# Allegro board 1140022-KU060_PCIE_FIBER_BOARD_V001_pcb166_20240120_1835_pcb.brd (continued)
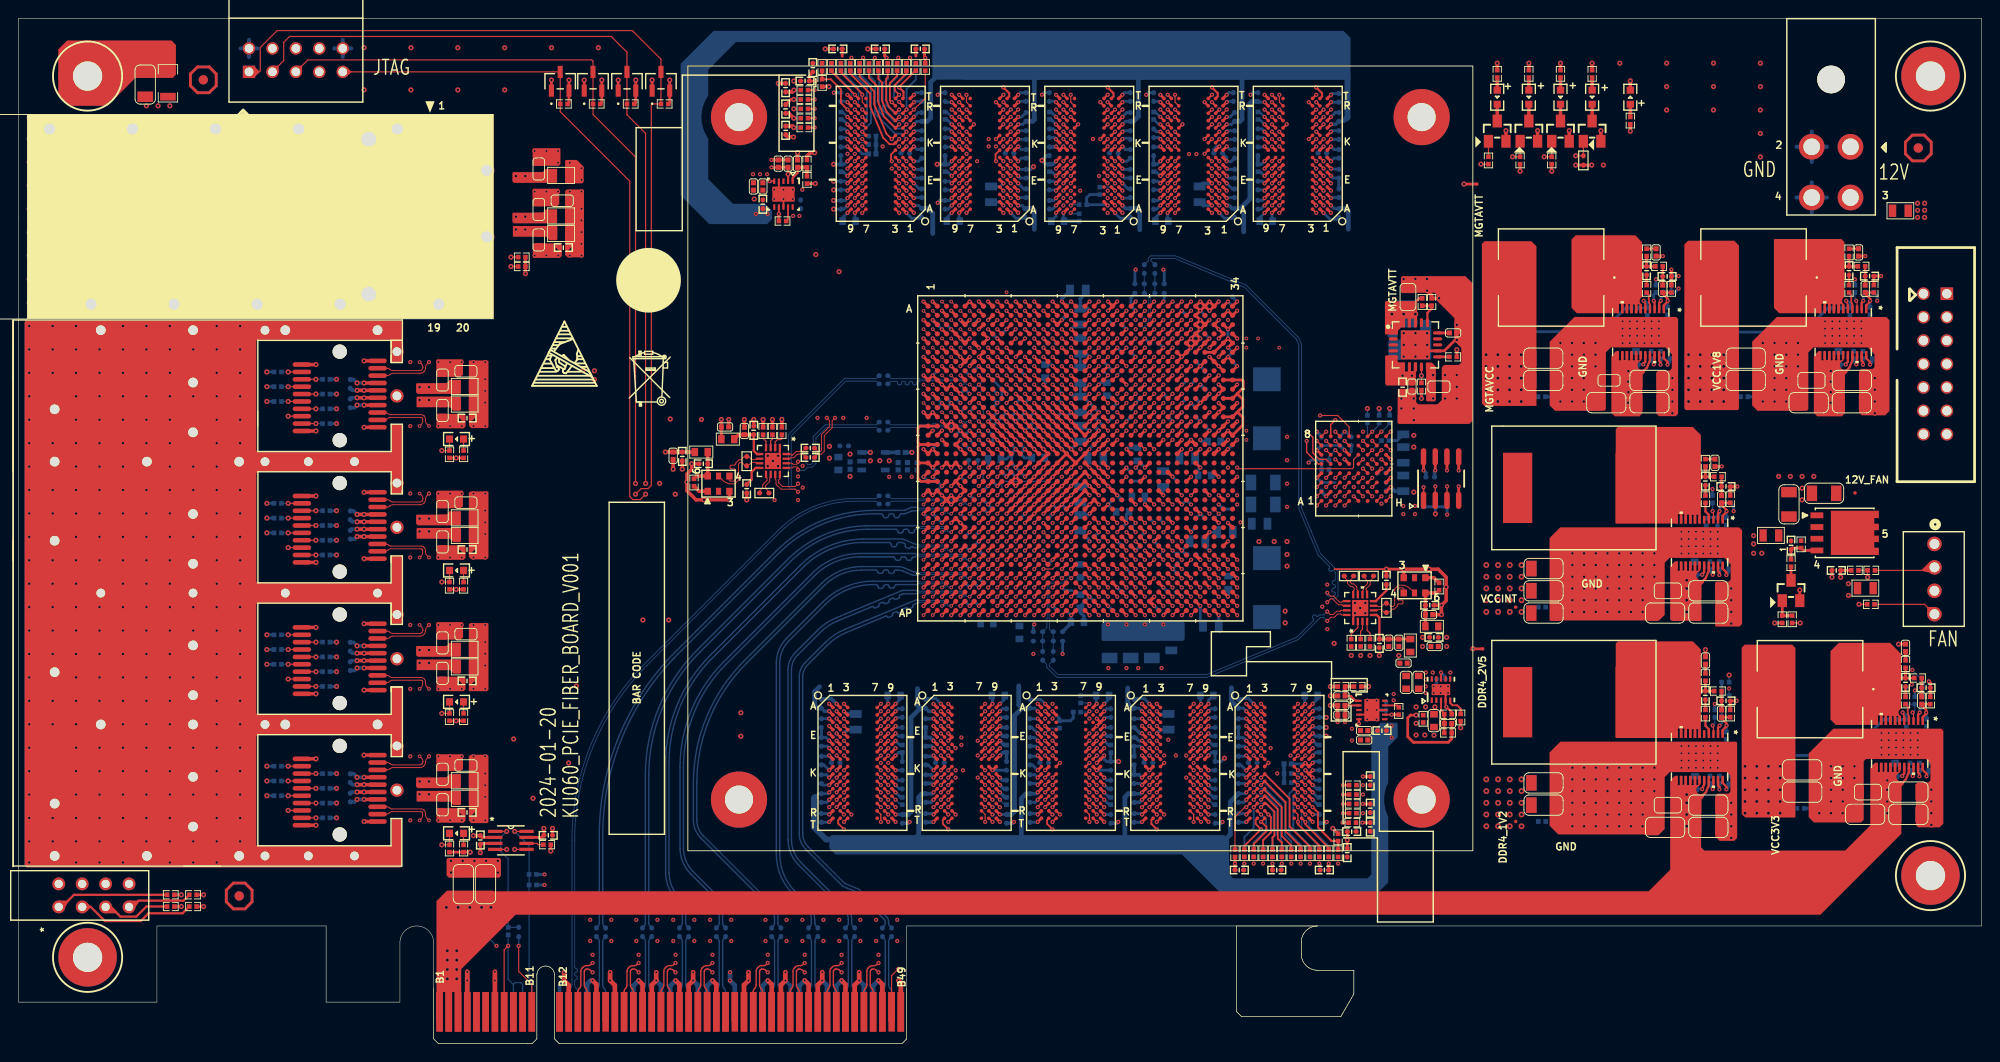
[diagram p0: board, top side]
## Routing (per net, layer and track width the routed paths; a pad name or vN(x,y) marks a point on that pad's centre or on a via; arc(x,y) is an arc through that point) (continued)
CHA_FPGA_DDR4_C2_D20: length 48
  TOP w0.201: U10.H2 v1(141.48,95.67) ; U1.H18 v1(116.11,73.45)
  ART05 w0.137: v1(116.11,73.45) 116.29,73.45 116.71,73.03 118.49,73.03 118.69,73.23 118.69,73.63 118.97,73.91 119.38,73.91 120.65,75.18 120.65,77.72 120.9,77.98 121.54,77.98 121.67,78.11 121.67,80.82 121.8,80.96 122.19,80.96 122.33,81.1 122.33,81.37 122.19,81.51 121.8,81.51 121.67,81.65 121.67,81.89 122.25,82.47 122.98,82.47 123.12,82.34 123.12,81.8 123.26,81.66 123.53,81.66 123.67,81.8 123.67,82.34 123.81,82.47 124.23,82.47 124.33,82.37 124.33,81.79 124.71,81.41 127.22,81.41 139.25,86.39 142.7,89.84 142.7,94.26 142.48,94.47 142.08,94.47 141.88,94.67 141.88,95.05 141.48,95.45 v1(141.48,95.67)
CHA_FPGA_DDR4_C2_D21: length 48
  TOP w0.201: U1.G15 v1(112.11,74.45) ; U10.H8 v1(135.88,95.67)
  ART05 w0.137: v1(135.88,95.67) 135.48,95.27 134.77,95.27 134.62,95.12 134.62,89.23 133.88,88.49 131.74,87.6 131.4,87.6 131.26,87.74 131.26,88.23 131.12,88.37 130.85,88.37 130.71,88.23 130.71,87.74 130.58,87.6 130.3,87.6 130.01,87.9 130.01,88.23 129.87,88.37 129.6,88.37 129.46,88.23 129.46,88.02 129.32,87.88 129.05,87.88 128.91,88.02 128.91,88.23 128.77,88.37 128.5,88.37 128.36,88.23 128.36,88.02 128.23,87.88 127.95,87.88 127.81,88.02 127.81,88.23 127.68,88.37 127.4,88.37 127.27,88.23 127.27,88.02 127.13,87.88 126.85,87.88 126.72,88.02 126.72,88.23 126.58,88.37 126.31,88.37 126.17,88.23 126.17,88.02 126.03,87.88 125.76,87.88 125.62,88.02 125.62,88.23 125.48,88.37 125.21,88.37 125.07,88.23 125.07,88.02 124.93,87.88 124.66,87.88 124.52,88.02 124.52,88.23 124.39,88.37 124.11,88.37 123.97,88.23 123.97,88.02 123.84,87.88 123.56,87.88 123.43,88.02 123.43,88.23 123.29,88.37 123.01,88.37 122.88,88.23 122.88,88.02 122.74,87.88 122.47,87.88 122.33,88.02 122.33,88.23 122.19,88.37 121.92,88.37 121.78,88.23 121.78,88.02 121.64,87.88 121.37,87.88 121.23,88.02 121.23,88.23 121.09,88.37 120.82,88.37 120.68,88.23 120.68,88.02 120.55,87.88 120.4,87.88 115.14,82.63 115.14,79.32 114.6,78.79 114.6,78.28 114.3,77.98 113.92,77.98 113.67,77.72 113.67,75.31 113.03,74.68 112.33,74.68 v1(112.11,74.45)
CHA_FPGA_DDR4_C2_D22: length 44.6
  TOP w0.201: U1.F18 v1(116.11,75.45) ; U10.J3 v1(140.68,97.27)
  ART05 w0.137: v1(116.11,75.45) 115.67,74.8 115.67,74.42 115.78,74.16 115.86,74.08 116.01,74.02 117.17,74.02 117.34,74.08 117.53,74.27 117.6,74.45 117.6,75.59 117.98,75.97 118.29,75.97 118.58,76.26 118.76,76.69 119.25,77.19 119.25,77.69 119.63,78.61 119.63,79.5 119.82,80.43 119.95,80.85 120.21,81.73 121.84,83.36 129.46,83.36 138.18,86.98 141.08,89.87 141.08,95.09 140.9,95.27 140.44,95.27 140.26,95.45 140.26,95.88 140.26,95.89 v1(140.68,97.27)
CHA_FPGA_DDR4_C2_D23: length 48.3
  TOP w0.201: U10.J7 v1(136.68,97.27) ; U1.G14 v1(111.11,74.45)
  ART05 w0.137: v1(136.68,97.27) 135.78,96.37 134.98,96.37 134.24,95.63 134.24,89.74 133.27,88.77 129.34,88.77 129.2,88.91 129.2,89.09 129.07,89.23 128.79,89.23 128.65,89.09 128.65,88.91 128.52,88.77 128.24,88.77 128.11,88.91 128.11,89.09 127.97,89.23 127.69,89.23 127.56,89.09 127.56,88.91 127.42,88.77 127.15,88.77 127.01,88.91 127.01,89.09 126.87,89.23 126.6,89.23 126.46,89.09 126.46,88.91 126.32,88.77 126.05,88.77 125.91,88.91 125.91,89.09 125.77,89.23 125.5,89.23 125.36,89.09 125.36,88.91 125.23,88.77 124.95,88.77 124.81,88.91 124.81,89.09 124.68,89.23 124.4,89.23 124.26,89.09 124.26,88.91 124.13,88.77 123.85,88.77 123.72,88.91 123.72,89.09 123.58,89.23 123.3,89.23 123.17,89.09 123.17,88.91 123.03,88.77 122.76,88.77 122.62,88.91 122.62,89.09 122.48,89.23 122.21,89.23 122.07,89.09 122.07,88.91 121.93,88.77 121.66,88.77 121.52,88.91 121.52,89.09 121.38,89.23 121.11,89.23 120.97,89.09 120.97,88.91 120.84,88.77 120.65,88.77 114.68,82.8 114.68,79.38 114.3,78.99 113.79,78.99 113.67,78.87 113.67,78.23 113.41,77.98 113.03,77.98 112.65,77.6 112.65,75.18 112.39,74.93 111.63,74.93 111.15,74.45 v1(111.11,74.45)
CHA_FPGA_DDR4_C2_D24: length 45.4
  TOP w0.201: U10.A3 v1(140.68,90.07) ; U1.L18 v1(116.11,70.45)
  ART10 w0.137: v1(140.68,90.07) 140.68,88.63 138.1,86.06 124.61,86.06 124.21,85.65 124.02,85.65 123.78,85.89 123.59,85.89 123.39,85.7 123.39,85.5 123.63,85.27 123.63,85.07 123.44,84.88 123.24,84.88 123,85.12 122.81,85.12 122.62,84.92 122.62,84.73 122.85,84.49 122.85,84.3 121.41,82.85 121.22,82.85 120.7,83.37 120.5,83.37 120.31,83.18 120.31,82.98 120.68,82.62 120.68,82.32 120.51,82.15 120.2,82.15 120.07,82.02 120.07,81.74 120.2,81.6 120.46,81.6 120.6,81.47 120.6,81.19 120.46,81.06 120.2,81.06 120.07,80.92 120.07,80.64 120.2,80.51 120.46,80.51 120.6,80.37 120.6,73.25 120.07,72.72 120.07,72.39 119.15,71.48 118.97,71.48 117.53,70.03 116.74,70.03 116.31,70.45 v1(116.11,70.45)
CHA_FPGA_DDR4_C2_D25: length 44.2
  TOP w0.201: U1.K17 v1(114.11,71.45) ; U10.B8 v1(135.88,90.87)
  ART10 w0.137: v1(114.11,71.45) 114.53,71.45 115.57,72.49 115.57,82.68 121.92,89.03 123.57,89.03 123.71,89.16 123.71,89.4 123.84,89.53 124.12,89.53 124.26,89.4 124.26,89.16 124.39,89.03 124.67,89.03 124.8,89.16 124.8,89.4 124.94,89.53 125.22,89.53 125.35,89.4 125.35,89.16 125.49,89.03 125.76,89.03 125.9,89.16 125.9,89.4 126.04,89.53 126.31,89.53 126.45,89.4 126.45,89.16 126.59,89.03 126.86,89.03 127,89.16 127,89.4 127.14,89.53 127.41,89.53 127.55,89.4 127.55,89.16 127.69,89.03 127.96,89.03 128.1,89.16 128.1,89.4 128.23,89.53 128.51,89.53 128.65,89.4 128.65,89.16 128.78,89.03 129.06,89.03 129.19,89.16 129.19,89.4 129.33,89.53 129.61,89.53 129.74,89.4 129.74,89.16 129.88,89.03 130.15,89.03 130.29,89.16 130.29,89.4 130.43,89.53 130.7,89.53 130.84,89.4 130.84,89.16 130.98,89.03 131.6,89.03 132.11,89.53 132.11,90.3 132.28,90.47 132.67,90.47 132.81,90.34 132.81,90.08 132.95,89.94 133.22,89.94 133.36,90.08 133.36,90.34 133.5,90.47 133.77,90.47 133.91,90.34 133.91,90 134.05,89.87 134.32,89.87 134.46,90 134.46,90.34 134.6,90.47 135.74,90.47 135.88,90.61 v1(135.88,90.87)
CHA_FPGA_DDR4_C2_D26: length 44.6
  TOP w0.201: U10.C3 v1(140.68,91.67) ; U1.L19 v1(117.11,70.45)
  ART10 w0.137: v1(117.11,70.45) 117.34,70.45 118.85,71.96 119.2,71.96 119.58,72.34 119.58,77.1 119.45,77.24 119.24,77.24 119.1,77.37 119.1,77.65 119.24,77.79 119.45,77.79 119.58,77.92 119.58,80.97 119.45,81.11 119.26,81.11 119.13,81.24 119.13,81.49 119.29,81.65 119.45,81.65 119.58,81.79 119.58,82.07 119.45,82.2 119.26,82.2 119.13,82.34 119.13,82.65 121.06,84.59 121.26,84.59 121.52,84.32 121.71,84.32 121.91,84.52 121.91,84.71 121.64,84.97 121.64,85.17 122.96,86.49 137.92,86.49 139.98,88.54 139.98,91.72 140.12,91.86 140.5,91.86 v1(140.68,91.67)
CHA_FPGA_DDR4_C2_D27: length 45.2
  TOP w0.201: U10.C7 v1(136.68,91.67) ; U1.K16 v1(113.11,71.45)
  ART10 w0.137: v1(136.68,91.67) 137.36,91.67 138.49,91.21 139.19,90.5 139.19,89.2 137.34,87.35 122.58,87.35 117.58,82.35 117.58,72.29 117.27,71.98 115.85,71.98 114.83,70.97 113.84,70.97 113.36,71.45 v1(113.11,71.45)
CHA_FPGA_DDR4_C2_D28: length 46.6
  TOP w0.201: U10.C2 v1(141.48,91.67) ; U1.L15 v1(112.11,70.45)
  ART10 w0.137: v1(141.48,91.67) 141.29,91.38 141.08,91 141.08,88.42 138.25,85.6 125.93,85.6 124.69,85.09 123.99,84.79 121.62,82.42 121.62,73.56 121.47,73.21 121.25,72.99 120.91,72.85 117.7,69.65 116.73,69.65 116.12,69.9 113.54,69.9 112.96,70.03 112.42,70.28 v1(112.11,70.45)
CHA_FPGA_DDR4_C2_D29: length 45
  TOP w0.201: U10.C8 v1(135.88,91.67) ; U1.K15 v1(112.11,71.45)
  ART10 w0.137: v1(112.11,71.45) 112.11,71.52 112.52,71.93 114.3,71.93 115.07,72.7 115.07,82.83 121.67,89.43 122.09,89.43 122.23,89.57 122.23,90.06 122.37,90.2 122.64,90.2 122.78,90.06 122.78,89.57 122.92,89.43 123.22,89.43 123.37,89.59 123.37,90.27 123.57,90.47 125.85,90.47 125.99,90.33 125.99,90.08 126.13,89.94 126.4,89.94 126.54,90.08 126.54,90.33 126.68,90.47 126.95,90.47 127.09,90.33 127.09,90.08 127.23,89.94 127.5,89.94 127.64,90.08 127.64,90.33 127.77,90.47 128.05,90.47 128.19,90.33 128.19,90.08 128.32,89.94 128.6,89.94 128.73,90.08 128.73,90.33 128.87,90.47 129.23,90.47 129.24,90.47 131.59,90.47 131.71,90.6 131.71,91.13 131.85,91.27 132.68,91.27 132.82,91.13 132.82,90.92 132.96,90.78 133.23,90.78 133.37,90.92 133.37,91.13 133.5,91.27 133.78,91.27 133.92,91.13 133.92,90.92 134.05,90.78 134.33,90.78 134.47,90.92 134.47,91.13 134.6,91.27 135.74,91.27 135.88,91.41 v1(135.88,91.67)
CHA_FPGA_DDR4_C2_D30: length 43
  TOP w0.201: U1.K18 v1(116.11,71.45) ; U10.D3 v1(140.68,92.47)
  ART10 w0.137: v1(140.68,92.47) 140.43,92.23 139.8,92.23 139.6,92.02 139.6,88.8 137.72,86.92 122.76,86.92 118.62,82.78 118.62,72.26 117.27,70.92 116.64,70.92 v1(116.11,71.45)
CHA_FPGA_DDR4_C2_D31: length 44.1
  TOP w0.201: U1.J16 v1(113.11,72.45) ; U10.D7 v1(136.68,92.47)
  ART10 w0.137: v1(136.68,92.47) 136.68,92.21 136.54,92.07 134.54,92.07 134.4,91.94 134.4,91.83 134.27,91.69 133.99,91.69 133.86,91.83 133.86,92.04 133.72,92.17 133.44,92.17 133.31,92.04 133.31,91.83 133.17,91.69 132.9,91.69 132.76,91.83 132.76,91.94 132.62,92.07 132.13,92.07 131.33,91.27 128.96,91.27 128.95,91.27 128.85,91.27 128.71,91.13 128.71,90.99 128.57,90.86 128.3,90.86 128.16,90.99 128.16,91.51 128.02,91.64 127.75,91.64 127.61,91.51 127.61,90.99 127.47,90.86 127.2,90.86 127.06,90.99 127.06,91.48 126.93,91.62 126.65,91.62 126.51,91.48 126.51,90.99 126.38,90.86 126.1,90.86 125.97,90.99 125.97,91.13 125.83,91.27 123.4,91.27 123.27,91.13 123.27,90.82 123.13,90.68 122.86,90.68 122.72,90.82 122.72,90.95 122.58,91.08 122.31,91.08 122.17,90.95 122.17,90.65 114.6,83.08 114.6,80.95 114.71,80.85 114.71,73.18 114.43,72.9 113.84,72.9 113.4,72.45 v1(113.11,72.45)
CHA_FPGA_DDR4_C2_D32: length 29.7
  TOP w0.201: U11.G2 v1(96.27,94.87) ; U1.C9 v1(107.11,78.45)
  ART12 w0.137: v1(96.27,94.87) 96.67,94.47 97.43,94.47 97.61,94.29 97.61,94.15 97.75,94.01 98.21,94.01 98.35,93.87 98.35,93.6 98.21,93.46 97.75,93.46 97.61,93.32 97.61,93.05 97.75,92.91 98.21,92.91 98.35,92.78 98.35,92.5 98.21,92.36 97.75,92.36 97.61,92.23 97.61,91.59 97.99,91.22 97.99,91.02 97.56,90.59 97.56,90.4 97.75,90.21 97.95,90.21 98.38,90.64 98.57,90.64 98.76,90.44 98.76,90.25 98.65,90.14 98.65,89.94 98.85,89.75 99.04,89.75 99.15,89.86 99.35,89.86 100.05,89.15 100.05,88.96 99.81,88.72 99.81,88.53 100.01,88.33 100.2,88.33 100.44,88.57 100.63,88.57 100.83,88.38 100.83,88.18 100.5,87.86 100.5,87.66 100.69,87.47 100.89,87.47 101.22,87.8 101.41,87.8 101.6,87.6 101.6,87.41 101.57,87.37 101.57,87.18 101.76,86.98 101.96,86.98 101.99,87.02 102.18,87.02 107.62,81.59 107.62,78.96 v1(107.11,78.45)
CHA_FPGA_DDR4_C2_D33: length 29.6
  TOP w0.201: U11.F7 v1(91.47,94.07) ; U1.D8 105.48,77.08 v1(105.11,77.45)
  ART12 w0.137: v1(91.47,94.07) 91.7,94.07 91.97,93.8 91.97,89.03 96.45,84.55 97.06,84.3 97.13,84.12 97.05,83.93 97.13,83.75 97.38,83.64 97.56,83.72 97.64,83.91 97.82,83.98 98.07,83.88 98.15,83.7 98.07,83.51 98.14,83.33 98.4,83.22 98.58,83.3 98.66,83.49 98.83,83.56 99.09,83.46 99.16,83.28 99.08,83.09 99.16,82.91 99.41,82.8 99.59,82.88 99.67,83.07 99.85,83.14 100.1,83.04 100.18,82.86 100.1,82.67 100.17,82.49 100.42,82.38 100.6,82.46 100.68,82.65 100.86,82.72 101.95,82.27 102.11,82.12 102.11,81.53 102.25,81.39 102.63,81.39 102.77,81.26 102.77,80.98 102.63,80.84 102.25,80.84 102.11,80.71 102.11,80.19 102.26,80.04 103.2,80.04 103.61,79.63 103.61,78.26 103.86,78 104.24,78 104.79,77.45 v1(105.11,77.45)
CHA_FPGA_DDR4_C2_D34: length 29.5
  TOP w0.201: U1.E10 v1(108.11,76.45) ; U11.H3 v1(95.47,95.67)
  ART12 w0.137: v1(108.11,76.45) 108.62,76.96 109.35,76.96 109.63,77.24 109.63,81.05 100.46,90.22 100.46,93.6 97.89,96.16 95.96,96.16 v1(95.47,95.67)
CHA_FPGA_DDR4_C2_D35: length 29.8
  TOP w0.201: U11.H7 v1(91.47,95.67) ; U1.D9 v1(106.11,77.45)
  ART12 w0.137: v1(91.47,95.67) 91.48,95.67 92.48,94.67 92.48,89.11 96.53,85.06 99.02,84.03 99.19,84.1 99.35,84.47 99.52,84.54 99.78,84.44 99.85,84.26 99.7,83.89 99.78,83.72 100.03,83.61 100.21,83.68 100.36,84.05 100.54,84.12 100.79,84.02 100.87,83.84 100.72,83.47 100.79,83.3 101.06,83.19 101.31,83.29 101.64,83.16 101.74,82.9 102.07,82.77 103.58,81.25 103.58,80.14 103.81,79.91 104.29,79.91 104.6,79.6 104.6,78.31 104.93,77.98 105.58,77.98 v1(106.11,77.45)
CHA_FPGA_DDR4_C2_D36: length 29.5
  TOP w0.201: U1.D10 v1(108.11,77.45) ; U11.H2 v1(96.27,95.67)
  ART12 w0.137: v1(96.27,95.67) 96.3,95.67 96.7,95.27 97.62,95.27 98.83,94.06 98.83,93.58 98.97,93.44 99.89,93.44 100.03,93.31 100.03,93.03 99.89,92.89 98.97,92.89 98.83,92.76 98.83,92.48 98.97,92.35 99.89,92.35 100.03,92.21 100.03,91.93 99.89,91.8 98.97,91.8 98.83,91.66 98.83,91.14 108.66,81.31 108.66,78 v1(108.11,77.45)
CHA_FPGA_DDR4_C2_D37: length 29.7
  TOP w0.201: U1.C8 v1(106.11,78.45) ; U11.H8 v1(90.67,95.67)
  ART12 w0.137: v1(106.11,78.45) 106.11,78.65 104.65,80.11 104.65,80.85 101.18,84.32 100.21,84.72 99.19,85.14 99.01,85.07 98.87,84.72 98.69,84.65 98.44,84.76 98.36,84.93 98.51,85.28 98.43,85.46 98.18,85.56 98,85.49 97.86,85.14 97.68,85.07 97.42,85.18 97.35,85.35 97.49,85.7 97.42,85.88 97.15,85.99 96.86,85.87 96.51,86.02 96.39,86.3 95.58,86.64 92.94,89.28 92.94,94.89 91.69,96.14 91.13,96.14 v1(90.67,95.67)
CHA_FPGA_DDR4_C2_D38: length 26.2
  TOP w0.201: U11.J3 94.59,96.4 94.59,95.75 v1(94.67,95.67) ; U1.A9 v1(106.11,80.45)
  ART12 w0.137: v1(94.67,95.67) 94.84,95.85 94.84,96.38 94.71,96.52 94.19,96.52 94.06,96.38 94.06,89.38 95.79,87.65 101.64,85.22 105.87,81 105.87,80.69 v1(106.11,80.45)
CHA_FPGA_DDR4_C2_D39: length 26.6
  TOP w0.201: U11.J7 v1(91.47,97.27) ; U1.B9 v1(106.11,79.45)
  ART12 w0.137: v1(106.11,79.45) 106.02,79.45 105.54,79.93 105.54,80.7 101.47,84.77 95.66,87.17 93.68,89.15 93.68,94.52 92.57,96.17 v1(91.47,97.27)
CHA_FPGA_DDR4_C2_D40: length 32
  TOP w0.201: U1.F9 v1(106.11,75.45) ; U11.A3 v1(95.47,90.07)
  ART05 w0.137: v1(106.11,75.45) 106.11,75.76 105.61,76.25 105.61,76.61 105.23,76.99 104.85,76.99 104.57,77.27 104.57,80.75 104.37,80.95 98.32,80.95 98.13,81.14 98.03,81.38 98.1,81.56 98.56,81.75 98.64,81.93 98.53,82.18 98.35,82.25 97.89,82.06 97.71,82.14 97.61,82.39 97.68,82.57 98.14,82.76 98.22,82.94 98.11,83.19 97.93,83.27 97.47,83.08 97.29,83.15 97.19,83.41 97.26,83.59 97.72,83.78 97.8,83.95 97.69,84.21 97.51,84.28 97.05,84.09 96.87,84.17 96.77,84.42 96.84,84.6 97.3,84.79 97.38,84.97 97.27,85.22 97.09,85.3 96.63,85.11 96.45,85.18 96.35,85.43 96.42,85.61 96.88,85.8 96.96,85.98 96.85,86.24 96.67,86.31 96.21,86.12 96.03,86.19 95.96,86.37 95.76,86.57 95.51,86.57 95.38,86.71 95.38,86.98 95.51,87.12 95.76,87.12 95.9,87.26 95.9,87.53 95.76,87.67 95.51,87.67 95.38,87.8 95.38,88.08 95.51,88.22 95.76,88.22 95.9,88.35 95.9,88.63 95.76,88.76 95.51,88.76 95.38,88.9 95.38,89.18 95.51,89.31 95.76,89.31 95.9,89.45 95.9,89.88 95.7,90.07 v1(95.47,90.07)
CHA_FPGA_DDR4_C2_D41: length 33.9
  TOP w0.201: U11.B8 v1(90.67,90.87) ; U1.J8 v1(105.11,72.45)
  ART05 w0.137: v1(90.67,90.87) 91.07,90.47 91.07,89.63 91.41,89.28 91.41,88.84 91.28,88.7 90.79,88.7 90.65,88.56 90.65,88.29 90.79,88.15 91.28,88.15 91.41,88.02 91.41,87.74 91.28,87.6 90.79,87.6 90.65,87.47 90.65,87.19 90.79,87.05 91.28,87.05 91.41,86.92 91.41,86.64 91.28,86.51 90.79,86.51 90.65,86.37 90.65,86.09 90.79,85.96 91.28,85.96 91.41,85.82 91.41,83.62 95.8,73.04 96.95,71.88 104.52,71.88 105.09,72.45 v1(105.11,72.45)
CHA_FPGA_DDR4_C2_D42: length 31.1
  TOP w0.201: v1(95.47,91.67) U11.C3 ; U1.G10 v1(107.11,74.45)
  ART05 w0.137: v1(107.11,74.45) 106.9,74.45 106.43,74.93 105.92,74.93 105.66,75.18 105.66,75.56 105.28,75.95 104.98,75.95 104.65,76.28 104.27,76.28 103.63,76.91 103.63,78.71 103.4,78.94 97.97,78.94 97.72,79.19 97.13,80.62 97.21,80.79 97.46,80.9 97.53,81.08 97.43,81.33 97.25,81.41 97,81.3 96.82,81.38 96.71,81.63 96.79,81.81 97.04,81.91 97.11,82.09 97.01,82.35 96.83,82.42 96.58,82.32 96.4,82.39 96.29,82.64 96.37,82.82 96.62,82.93 96.69,83.11 96.59,83.36 96.41,83.43 96.16,83.33 95.98,83.4 95.87,83.66 95.95,83.84 96.2,83.94 96.27,84.12 96.17,84.37 95.99,84.45 95.74,84.34 95.56,84.42 95.45,84.67 95.53,84.85 95.78,84.95 95.85,85.13 95.75,85.39 95.57,85.46 95.32,85.36 95.14,85.43 94.95,85.89 94.95,91.26 95.35,91.67 v1(95.47,91.67)
CHA_FPGA_DDR4_C2_D43: length 33.1
  TOP w0.201: v1(91.47,91.67) U11.C7 ; U1.H8 v1(105.11,73.45)
  ART05 w0.137: v1(105.11,73.45) 104.86,73.45 104.36,73.95 97.8,73.95 97.49,74.27 97.49,76.22 96.7,78.11 96.52,78.18 95.82,77.89 95.65,77.97 95.54,78.22 95.61,78.4 96.31,78.69 96.39,78.87 96.28,79.12 96.1,79.2 95.4,78.91 95.23,78.98 95.12,79.24 95.19,79.42 95.89,79.71 95.97,79.88 95.86,80.14 95.68,80.21 94.98,79.92 94.81,80 93.55,83.04 93.55,90.1 91.97,91.67 v1(91.47,91.67)
CHA_FPGA_DDR4_C2_D44: length 30.7
  TOP w0.201: U1.F10 v1(107.11,75.45) ; v1(96.27,91.67) U11.C2
  ART05 w0.137: v1(96.27,91.67) 96.29,91.67 96.67,91.29 96.67,87.96 96.81,87.62 96.99,87.55 97.33,87.69 97.51,87.62 97.61,87.36 97.54,87.18 97.2,87.04 97.12,86.86 97.23,86.61 97.41,86.53 97.75,86.68 97.93,86.6 98.03,86.35 97.96,86.17 97.62,86.03 97.54,85.85 97.65,85.59 97.83,85.52 98.17,85.66 98.35,85.59 98.45,85.33 98.38,85.15 98.04,85.01 97.96,84.83 98.07,84.58 98.25,84.51 98.59,84.65 98.77,84.57 98.87,84.32 98.8,84.14 98.46,84 98.38,83.82 98.49,83.57 98.67,83.49 99.01,83.63 99.19,83.56 99.29,83.31 99.22,83.13 98.88,82.98 98.8,82.81 98.91,82.55 99.09,82.48 99.43,82.62 99.61,82.55 99.71,82.29 99.64,82.11 99.3,81.97 99.22,81.79 99.32,81.55 99.53,81.34 104.86,81.34 105.59,80.62 105.59,77.11 105.77,76.94 106.35,76.94 106.6,76.68 106.6,75.96 v1(107.11,75.45)
CHA_FPGA_DDR4_C2_D45: length 33.3
  TOP w0.201: v1(90.67,91.67) U11.C8 ; U1.J9 v1(106.11,72.45)
  ART05 w0.137: v1(106.11,72.45) 106.11,72.45 106.03,72.37 104.58,71.18 104.12,70.99 97.21,70.99 95.27,72.93 90.22,85.12 90.22,89.71 90.27,89.76 90.27,91.27 v1(90.67,91.67)
CHA_FPGA_DDR4_C2_D46: length 32.6
  TOP w0.201: v1(95.47,92.47) U11.D3 ; U1.G9 v1(106.11,74.45)
  ART05 w0.137: v1(106.11,74.45) 105.89,74.45 105.44,74.9 104.94,74.9 104.65,75.18 104.65,75.69 104.39,75.95 101.83,75.95 101.57,76.2 101.57,77.67 101.3,77.95 97.84,77.95 97.69,78.11 95.86,82.53 95.68,82.6 95.05,82.34 94.87,82.41 94.76,82.67 94.84,82.85 95.47,83.11 95.54,83.29 95.44,83.54 95.26,83.61 94.7,83.38 94.52,83.46 94.41,83.71 94.49,83.89 95.05,84.12 95.12,84.3 94.96,84.69 94.78,84.76 94.69,84.72 94.51,84.8 94.4,85.05 94.48,85.23 94.57,85.27 94.65,85.45 94.49,85.83 94.49,91.2 94.35,91.34 94.02,91.34 93.88,91.48 93.88,91.75 94.02,91.89 94.35,91.89 94.49,92.03 94.49,92.28 94.68,92.47 v1(95.47,92.47)
CHA_FPGA_DDR4_C2_D47: length 32.4
  TOP w0.201: U1.H9 v1(106.11,73.45) ; v1(91.47,92.47) U11.D7
  ART05 w0.137: v1(91.47,92.47) 92.25,92.47 93.98,90.74 93.98,83.41 94.67,81.74 94.85,81.67 95.46,81.92 95.64,81.85 95.75,81.59 95.67,81.41 95.06,81.16 94.99,80.98 95.09,80.73 95.27,80.65 95.88,80.91 96.06,80.83 97.57,77.18 97.87,76.89 99.36,76.89 99.57,76.68 99.57,75.23 99.87,74.93 104.27,74.93 104.65,74.55 104.65,74.3 105.05,73.9 105.66,73.9 v1(106.11,73.45)
CHA_FPGA_DDR4_C2_D48: length 30.4
  TOP w0.201: U13.G2 v1(107.57,94.87) ; U1.H13 v1(110.11,73.45)
  ART10 w0.137: v1(107.57,94.87) 107.17,94.47 107.17,89.25 107.46,88.96 107.65,88.96 107.74,89.05 107.93,89.05 108.13,88.85 108.13,88.66 108.04,88.57 108.04,88.38 110.59,85.83 110.59,85.64 110.35,85.4 110.35,85.2 110.55,85.01 110.74,85.01 110.98,85.25 111.17,85.25 111.37,85.05 111.37,84.86 111.03,84.52 111.03,84.33 111.22,84.13 111.41,84.13 111.66,84.38 111.86,84.38 112.22,84.02 112.22,83.86 112.08,83.72 111.67,83.72 111.53,83.58 111.53,83.31 111.67,83.17 112.08,83.17 112.22,83.03 112.22,82.76 112.08,82.62 111.82,82.62 111.68,82.48 111.68,82.21 111.82,82.07 112.08,82.07 112.22,81.94 112.22,81.2 111.58,80.57 111.58,74.24 111.18,73.84 110.57,73.84 110.18,73.45 v1(110.11,73.45)
CHA_FPGA_DDR4_C2_D49: length 31.8
  TOP w0.201: U13.F7 v1(102.77,94.07) ; U1.K12 v1(109.11,71.45)
  ART10 w0.137: v1(102.77,94.07) 102.56,94.07 102.15,93.67 101.72,93.67 101.57,93.53 101.57,89.19 101.65,89 101.83,88.93 102.1,89.04 102.28,88.97 102.38,88.71 102.31,88.53 102.04,88.42 101.96,88.24 102.07,87.99 102.25,87.92 102.4,87.98 102.58,87.9 102.68,87.65 102.61,87.47 102.46,87.41 102.39,87.23 102.76,86.31 105.64,83.44 105.64,82.94 105.78,82.81 106.09,82.81 106.22,82.67 106.22,82.39 106.09,82.26 105.78,82.26 105.64,82.12 105.64,81.85 105.78,81.71 106.09,81.71 106.22,81.57 106.22,81.3 106.09,81.16 105.78,81.16 105.64,81.02 105.64,74.19 105.92,73.91 106.4,73.91 106.55,73.76 106.55,73.15 106.71,73 107.29,73 107.57,72.72 107.57,72.21 107.85,71.93 108.61,71.93 109.09,71.45 v1(109.11,71.45)
CHA_FPGA_DDR4_C2_D50: length 28.4
  TOP w0.201: U1.G12 v1(109.11,74.45) ; U13.H3 v1(106.77,95.67)
  ART10 w0.137: v1(106.77,95.67) 106.35,95.25 105.71,95.25 105,94.54 105,93.98 104.87,93.85 104.71,93.85 104.57,93.71 104.57,93.43 104.71,93.3 104.87,93.3 105,93.16 105,92.89 104.87,92.75 104.71,92.75 104.57,92.61 104.57,92.34 104.71,92.2 104.87,92.2 105,92.06 105,91.79 104.87,91.65 104.71,91.65 104.57,91.51 104.57,91.24 104.71,91.1 104.87,91.1 105,90.97 105,90.69 104.87,90.55 104.71,90.55 104.57,90.42 104.57,90.14 104.71,90.01 104.87,90.01 105,89.87 105,89.59 104.87,89.46 104.71,89.46 104.57,89.32 104.57,89.05 104.71,88.91 104.87,88.91 105,88.77 105,87.68 109.55,83.13 109.55,75.49 109.11,75.05 v1(109.11,74.45)
CHA_FPGA_DDR4_C2_D51: length 31.8
  TOP w0.201: U13.H7 v1(102.77,95.67) ; U1.K11 v1(108.11,71.45)
  ART10 w0.137: v1(102.77,95.67) 102.77,95.63 102.37,95.23 102.37,94.63 102.22,94.47 100.95,94.47 100.74,94.26 100.74,89.93 102.86,84.81 103.04,84.73 103.38,84.87 103.56,84.8 103.66,84.54 103.59,84.37 103.25,84.22 103.17,84.05 104.57,80.67 104.57,74.35 104.95,73.96 105.23,73.96 105.64,73.56 105.64,72.21 106.86,70.99 107.65,70.99 v1(108.11,71.45)
CHA_FPGA_DDR4_C2_D52: length 31.8
  TOP w0.201: U1.J13 v1(110.11,72.45) ; U13.H2 v1(107.57,95.67)
  ART10 w0.137: v1(110.11,72.45) 110.3,72.45 111.81,73.96 112.22,73.96 112.65,74.4 112.65,85.22 112.41,85.46 112.22,85.46 112.03,85.27 111.83,85.27 111.64,85.46 111.64,85.66 111.83,85.84 111.83,86.04 111.63,86.23 111.44,86.23 111.25,86.05 111.06,86.05 110.86,86.24 110.86,86.43 111.05,86.62 111.05,86.81 110.86,87.01 110.66,87.01 110.48,86.82 110.28,86.82 110.09,87.02 110.09,87.21 110.27,87.4 110.27,87.59 110.08,87.79 109.89,87.79 109.7,87.6 109.51,87.6 109.31,87.79 109.31,87.99 109.5,88.17 109.5,88.37 109.3,88.56 109.11,88.56 108.92,88.37 108.73,88.37 108.54,88.57 108.54,88.76 108.72,88.95 108.72,89.14 107.97,89.89 107.97,95.27 v1(107.57,95.67)
CHA_FPGA_DDR4_C2_D53: length 32.3
  TOP w0.201: U13.H8 v1(101.97,95.67) ; U1.L12 v1(109.11,70.45)
  ART10 w0.137: v1(109.11,70.45) 108.27,70 106.93,70 106.63,70.31 106.63,70.54 105.54,71.63 104.92,72.04 104.62,72.34 104.48,72.69 104.33,72.83 103.99,72.97 103.73,73.23 103.63,73.47 103.63,81.69 100.3,89.72 100.3,94.14 100.48,94.56 100.87,95.14 101.03,95.27 101.28,95.27 101.45,95.32 v1(101.97,95.67)
CHA_FPGA_DDR4_C2_D54: length 28.6
  TOP w0.201: U1.H12 v1(109.11,73.45) ; U13.J3 105.92,96.42 105.92,95.72 v1(105.97,95.67)
  ART10 w0.137: v1(105.97,95.67) 105.4,95.67 104.19,94.46 104.19,87.88 108.64,83.44 108.64,82.99 108.77,82.85 108.96,82.85 109.09,82.72 109.09,82.44 108.96,82.31 108.77,82.31 108.64,82.17 108.64,81.89 108.77,81.76 108.96,81.76 109.09,81.62 109.09,81.35 108.96,81.21 108.77,81.21 108.64,81.07 108.64,73.92 v1(109.11,73.45)
CHA_FPGA_DDR4_C2_D55: length 31.8
  TOP w0.201: U13.J7 v1(102.77,97.27) ; U1.J11 v1(108.11,72.45)
  ART10 w0.137: v1(102.77,97.27) 103.13,97.27 103.45,96.95 103.45,94.16 102.97,93.67 102.59,93.67 102.37,93.45 102.37,89.63 102.51,89.49 103.01,89.49 103.15,89.35 103.15,86.56 106.65,83.06 106.65,82.89 106.79,82.76 107.48,82.76 107.62,82.62 107.62,82.35 107.48,82.21 106.79,82.21 106.65,82.07 106.65,74.24 106.88,74.02 107.37,74.02 107.59,73.79 107.59,73.3 108.11,72.79 v1(108.11,72.45)
CHA_FPGA_DDR4_C2_D56: length 21.9
  TOP w0.201: U1.C13 v1(110.11,78.45) ; U13.A3 v1(106.77,90.07)
  ART05 w0.137: v1(106.77,90.07) 106.77,89.65 106.91,89.51 107.67,89.51 108.72,88.46 108.91,88.46 109.36,88.9 109.55,88.9 109.74,88.71 109.74,88.51 109.3,88.07 109.3,87.88 109.5,87.68 109.69,87.68 110.12,88.11 110.31,88.11 110.51,87.92 110.51,87.72 110.08,87.3 110.08,87.1 110.27,86.91 110.47,86.91 110.59,87.03 110.78,87.03 110.98,86.84 110.98,86.64 110.86,86.52 110.86,86.32 111.28,85.9 111.63,85.04 111.63,83.97 111.77,83.83 112,83.83 112.14,83.7 112.14,83.42 112,83.28 111.77,83.28 111.63,83.15 111.63,82.87 111.77,82.74 112,82.74 112.14,82.6 112.14,82.32 112,82.19 111.77,82.19 111.63,82.05 111.63,81.78 111.77,81.64 112,81.64 112.14,81.5 112.14,81.23 112,81.09 111.77,81.09 111.63,80.95 111.63,79.22 111.28,78.87 110.87,78.87 110.46,78.45 v1(110.11,78.45)
